# Altium PCB MyNixie.PcbDoc (part 1 of 2) (continued)
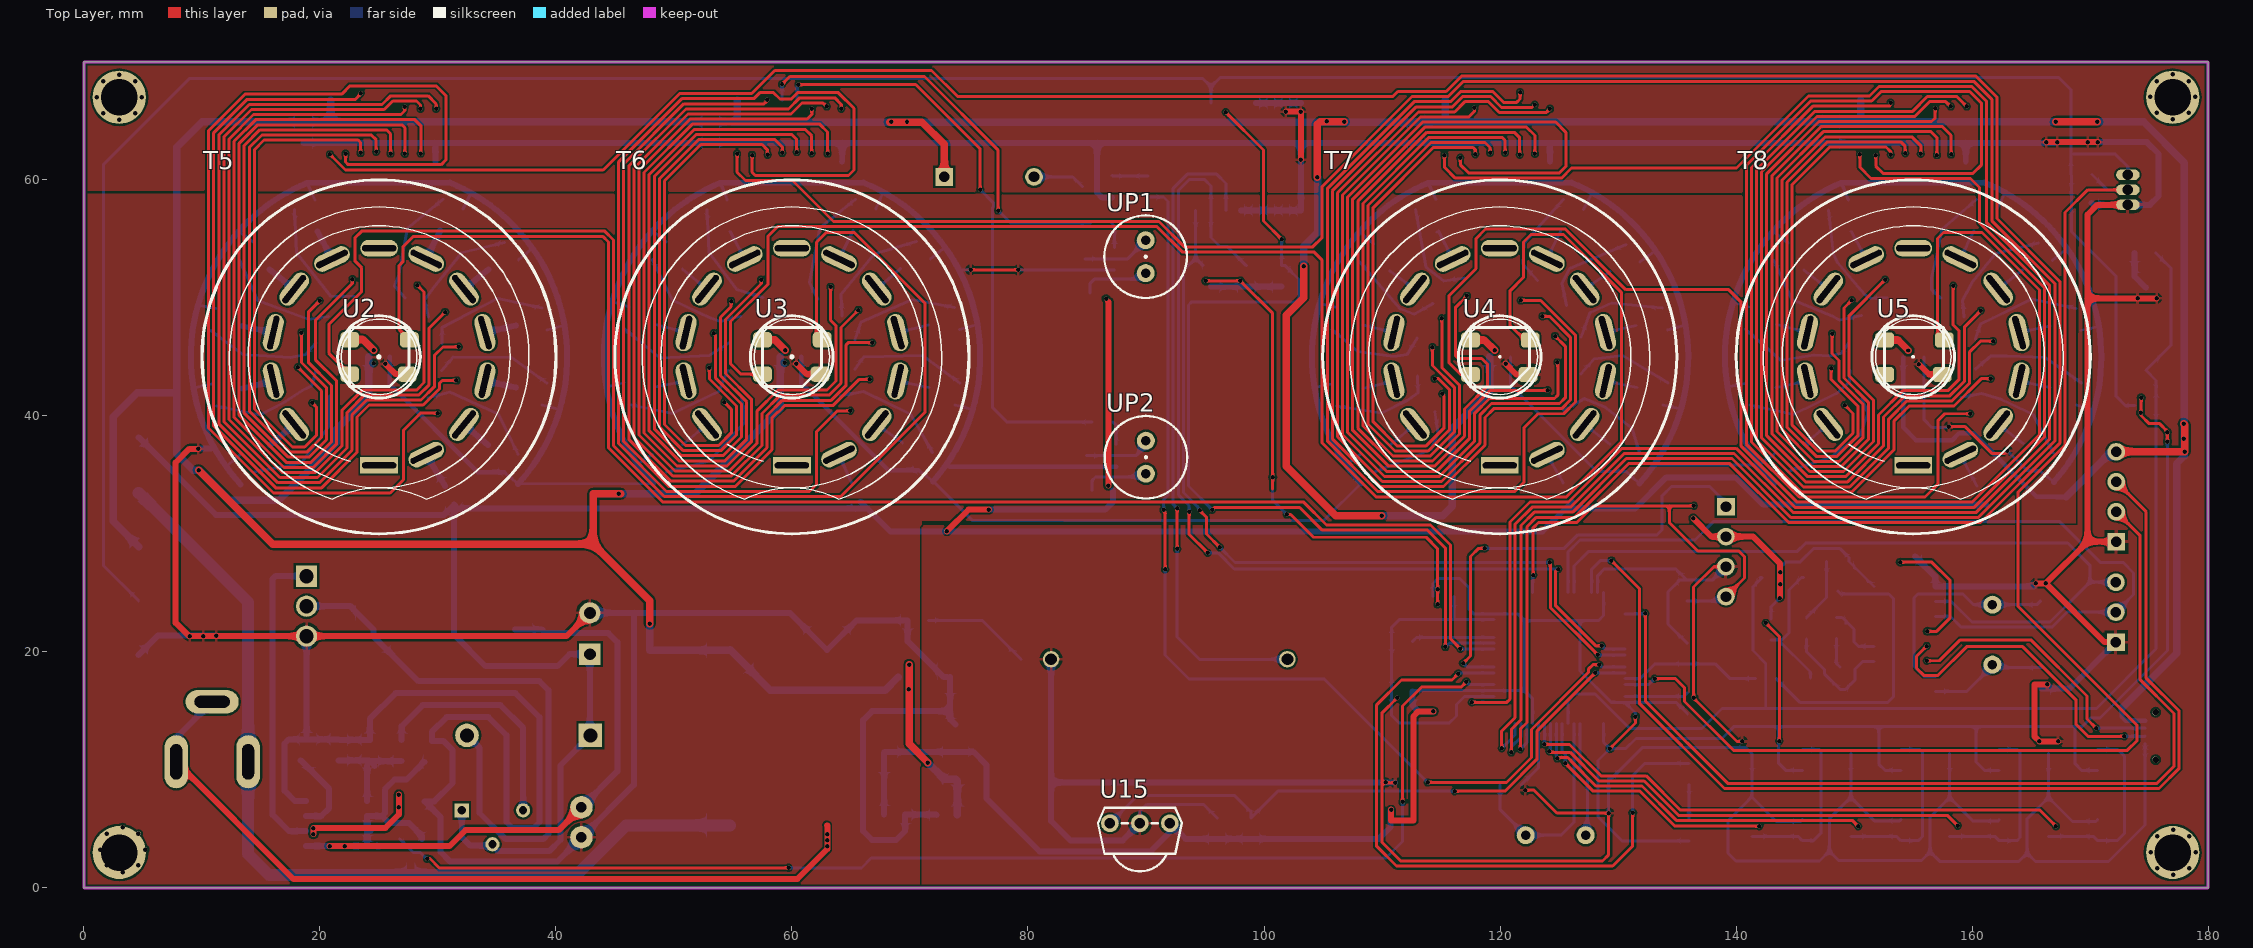
[diagram p0: Top Layer view]
## Footprints (in the part's own frame and the unit in brackets; to place one, negate y for a bottom-side part, rotate by r counter-clockwise, add the part's x,y. Pads: shape width x height; smd on the part's side, far side on the other; paste and mask are expansions set on the pad) (continued)
BEEP [mm] "蜂鸣器"
  rect 1.5x1.5 hole 0.9: 1(-3.8,0)
  round 1.5 hole 0.9: 2(3.8,0)
  silkscreen extent -6,-6 6,6, body extent -6.02,-6.02 5.97,5.97, height 9.6
C-RB-6 [mil]
  round 75 hole 35: 1(99,2) 2(-1,2)
  silkscreen extent -69,-116 167,120, body extent -69,-116 167,120, height 472
C-RB-8 [mm] "35V 220UF电容"
  rect 1.8x1.8 hole 1: 1(0,0)
  round 1.8 hole 1: 2(3.5,0)
  silkscreen extent -2.25,-4 5.75,4
CHECK-B [mm] "Connector; Plug"
  round 1.5 smd: 1(0,0)
  silkscreen extent -1.52,-1.52 1.52,1.52
CR2032 [mm]
  rect 3x1.4 smd: 1(-1.499,0)
  round 1.4 hole 1: 1(-0.025,0) 2(20,0)
  rect 5x1.4 smd: 2(22.555,0)
  silkscreen extent -0.94,-11 23.45,11, body extent -0.91,-10.87 23.52,11.12, height 8
DC-005 [mm] "DC母座5.5mm"
  oval 2x4.5 hole 1 slot 3 at 90 deg: 1(0.889,0) 2(6.985,0)
  oval 4.5x2 hole 1 slot 3 at 0 deg: 3(3.937,5.08)
  silkscreen extent 0,-4.5 14.6,4.5, body extent 0,-4.45 14.6,4.44, height 11
DO-41 [mm] "Diode, Axial; Body 5.2 x 2.7 mm (LxDia. max), Lead Dia. 0.86 mm (max)"
  round 2 hole 1.2: 1(-5.23,0)
  rect 2x2 hole 1.2: 2(5.23,0)
  silkscreen extent -2.65,-1.4 2.75,1.4
Flower [mm]
HDR3X1_A [mm] "Connector; Header; 3 Position"
  rect 1.5x1.5 hole 0.9: 1(0,0)
  round 1.5 hole 0.9: 2(2.54,0) 3(5.08,0)
  silkscreen extent -1.27,-1.27 6.35,1.27
HDR4X1_A [mm] "Connector; Header; 4 Position"
  rect 1.5x1.5 hole 0.9: 1(0,0)
  round 1.5 hole 0.9: 2(2.54,0) 3(5.08,0) 4(7.62,0)
  silkscreen extent -1.27,-1.27 8.89,1.27
HS0038B [mm] "红外接收头"
  round 1.5 hole 0.9: 1(-2.54,0) 2(0,0) 3(2.54,0)
  silkscreen extent -3.56,-4.08 3.56,1.3
L-SMD-12 [mm] "贴片电感12*12"
  rect 3x4 smd: 1(-6,0) 2(6,0)
  silkscreen extent -6.2,-6.2 6.2,6.2, body extent -6.21,-6.23 6.21,6.18, height 2.5
LC-0805_C [mm]
  rect 1.16x1.47 smd: 1(-0.89,0) 2(0.89,0)
  silkscreen extent -1.77,-1.04 1.77,1.04, body extent -1,-0.63 1,0.62, height 0.77
LC-0805_L [mm]
  rect 1.16x1.47 smd: 1(-0.89,0) 2(0.89,0)
  silkscreen extent -1.77,-1.04 1.77,1.03, body extent -1.02,-0.64 1.03,0.64, height 0.6
LC-0805_LED_S1 [mm]
  rect 1.16x1.47 smd: A(0.89,0) K(-0.89,0)
  silkscreen extent -2.25,-1.04 1.77,1.03, body extent -1.01,-0.63 1.01,0.62, height 1.1
LC-0805_R [mm]
  rect 1.16x1.47 smd: 1(-0.89,0) 2(0.89,0)
  silkscreen extent -1.77,-1.04 1.77,1.03, body extent -1,-0.63 1,0.63, height 0.49
LC-LL-34 [mm]
  rect 0.9x1.5 smd: 1(1.75,0) 2(-1.75,0)
  silkscreen extent -1.8,-1.08 1.8,1.08
LC-LQFP-64_10x10x05P [mm]
  oval 0.28x1.8 smd mask+0.051: 1(-3.75,-5.55) 2(-3.25,-5.55) 3(-2.75,-5.55) 4(-2.25,-5.55) 5(-1.75,-5.55) 6(-1.25,-5.55) 7(-0.75,-5.55) 8(-0.25,-5.55) 9(0.25,-5.55) 10(0.75,-5.55) 11(1.25,-5.55) 12(1.75,-5.55) 13(2.25,-5.55) 14(2.75,-5.55) 15(3.25,-5.55) 16(3.75,-5.55) 33(3.75,5.55) 34(3.25,5.55) 35(2.75,5.55) 36(2.25,5.55) 37(1.75,5.55) 38(1.25,5.55) 39(0.75,5.55) 40(0.25,5.55) 41(-0.25,5.55) 42(-0.75,5.55) 43(-1.25,5.55) 44(-1.75,5.55) 45(-2.25,5.55) 46(-2.75,5.55) 47(-3.25,5.55) 48(-3.75,5.55)
  oval 1.8x0.28 smd mask+0.051: 17(5.55,-3.75) 18(5.55,-3.25) 19(5.55,-2.75) 20(5.55,-2.25) 21(5.55,-1.75) 22(5.55,-1.25) 23(5.55,-0.75) 24(5.55,-0.25) 25(5.55,0.25) 26(5.55,0.75) 27(5.55,1.25) 28(5.55,1.75) 29(5.55,2.25) 30(5.55,2.75) 31(5.55,3.25) 32(5.55,3.75) 49(-5.55,3.75) 50(-5.55,3.25) 51(-5.55,2.75) 52(-5.55,2.25) 53(-5.55,1.75) 54(-5.55,1.25) 55(-5.55,0.75) 56(-5.55,0.25) 57(-5.55,-0.25) 58(-5.55,-0.75) 59(-5.55,-1.25) 60(-5.55,-1.75) 61(-5.55,-2.25) 62(-5.55,-2.75) 63(-5.55,-3.25) 64(-5.55,-3.75)
  silkscreen extent -4.55,-6.05 4.25,4.25
LC-SMB(DO-214AA)_S1 [mm]
  rect 2.159x2.743 smd: 1(2.21,0) 2(-2.21,0)
  silkscreen extent -2.5,-2.1 2.5,2.1
LC-SOIC-8_150mil [mm]
  oval 0.7x1.8 smd: 1(-1.905,-2.6) 2(-0.635,-2.6) 3(0.635,-2.6) 4(1.905,-2.6) 5(1.905,2.6) 6(0.635,2.6) 7(-0.635,2.6) 8(-1.905,2.6)
  silkscreen extent -2.9,-3.05 2.4,1.4
LC-SOIC-16_150mil [mm]
  oval 0.6x1.8 smd: 1(-4.445,-2.6) 2(-3.175,-2.6) 3(-1.905,-2.6) 4(-0.635,-2.6) 5(0.635,-2.6) 6(1.905,-2.6) 7(3.175,-2.6) 8(4.445,-2.6) 9(4.445,2.6) 10(3.175,2.6) 11(1.905,2.6) 12(0.635,2.6) 13(-0.635,2.6) 14(-1.905,2.6) 15(-3.175,2.6) 16(-4.445,2.6)
  silkscreen extent -5.4,-3.05 4.97,1.4
LC-SOIC-16_300mil [mm]
  oval 0.6x2.3 smd: 1(-4.445,-4.55) 2(-3.175,-4.55) 3(-1.905,-4.55) 4(-0.635,-4.55) 5(0.635,-4.55) 6(1.905,-4.55) 7(3.175,-4.55) 8(4.445,-4.55) 9(4.445,4.55) 10(3.175,4.55) 11(1.905,4.55) 12(0.635,4.55) 13(-0.635,4.55) 14(-1.905,4.55) 15(-3.175,4.55) 16(-4.445,4.55)
  silkscreen extent -5.45,-5.25 5.1,3
LC-SOT-23(SOT-23-3) [mm]
  rect 1.25x0.7 smd: 1(1.25,-0.95) 2(1.25,0.95) 3(-1.25,0)
  silkscreen extent -0.65,-1.46 0.9,1.46, body extent -1.5,-1.5 1.5,1.5, height 1.3
LC-SOT-223 [mm]
  rect 2.2x1 smd: 1(3,-2.3) 2(3,0) 3(3,2.3)
  rect 2.2x3.5 smd: 2(-3,0)
  silkscreen extent -1.4,-3 1.4,3, body extent -3.49,-3.24 3.49,3.24, height 1.64
"MP1584 MODULE" [mm] "Mini360"
  rect 4x4 smd: 1(5.74,12.522) 2(5.74,4.318) 3(20.599,4.318) 4(20.599,12.522)
  silkscreen extent 4.7,2.82 21.77,13.97
NEON [mil]
  round 60 hole 31.5: 1(-40,0) 2(-150,0)
  silkscreen extent -233,-138 43,138
QS30-1 [mm]
  rect 3.2x1.4 hole 0.5 slot 2.9 at 0 deg: 1(0,-9.2)
  oval 3.2x1.4 hole 0.5 slot 2.9 at 25.71 deg rot 25.71: 2(3.992,-8.289) 9(-3.992,8.289)
  oval 3.2x1.4 hole 0.5 slot 2.9 at 51.43 deg rot 51.43: 3(7.193,-5.736) 10(-7.193,5.736)
  oval 3.2x1.4 hole 0.5 slot 2.9 at 77.14 deg rot 77.14: 4(8.969,-2.047) 11(-8.969,2.047)
  oval 3.2x1.4 hole 0.5 slot 2.9 at 106.06 deg rot 102.86: 5(8.969,2.047)
  oval 3.2x1.4 hole 0.5 slot 2.9 at 128.57 deg rot 128.57: 6(7.193,5.736) 13(-7.193,-5.736)
  oval 3.2x1.4 hole 0.5 slot 2.9 at 154.29 deg rot 154.29: 7(3.992,8.289)
  oval 3.2x1.4 hole 0.5 slot 2.9 at 0 deg: 8(0,9.2)
  oval 3.2x1.4 hole 0.5 slot 2.9 at 102.86 deg rot 102.86: 12(-8.969,-2.047)
  silkscreen extent -15,-15 15,15, body extent -13.99,-14.02 14,13.97, height 40
SW_PB2_A1 [mm]
  rect 1.5x2.5 smd: 1(0,3.556) 2(0,-3.444)
  silkscreen extent -2,-3.19 2,3.31, body extent -2.03,-3.17 2.03,3.3, height 1.2
TO-92A [mm]
  oval 2x0.9 hole 0.9: 1(0,-1.27) 2(0,0) 3(0,1.27)
  silkscreen extent -2.48,-2.48 1.5,2.48
TO-220AB [mm] "TO, Thru-Hole, Vertical, Heatsink Mounted; 3 In-Line Leads; Pitch 2.54 mm"
  round 1.8 hole 1.2: D(0,0) S(2.54,0)
  rect 1.8x1.8 hole 1.2: G(-2.54,0)
  silkscreen extent -5.35,-1.85 5.35,2.85, body extent -5.33,-1.78 5.33,2.79, height 4
USB_MICRO [mm] "USB方孔"
  oct 0.4x1.8 smd: 1(1.24,1.651) 2(1.89,1.651) 3(2.54,1.651) 4(3.19,1.651) 5(3.84,1.651)
  rect 2.286x1.9 smd: 6(5.969,-1.27) 7(-0.889,-1.27)
  rect 1.8x1.9 smd: 8(2.54,-1.27)
  round 0.54 hole 0.54: ""(0.54,0.753) ""(4.54,0.753)
  silkscreen extent -0.38,-3.56 5.33,1.4, body extent -0.43,-3.61 5.38,1.47, height 1.85
VR_B1 [mm] "Potentiometer; 3 Leads"
  rect 1.2x1.2 hole 0.7: 1(-2.6,0)
  round 1.2 hole 0.7: 2(0,2.873) 3(2.6,0)
  silkscreen extent -3.5,-3 3.5,4
WS2812 [mm]
  rrect50% 1.6x1.3 smd: 1(0,-1.041) 2(0,-3.962) 3(4.877,-3.962) 4(5.055,-1.041)
  silkscreen extent 0,-5 5,0, body extent 0,-5 5,0, height 2
X-HC49U [mil] "插件晶振"
  round 60 hole 32: 1(-100,0) 2(100,0)
  silkscreen extent -215,-90 215,90
螺丝孔-3MM#1 [mil]
  round 15 hole 15: 1(-75,0) 1(-53.03,-53.03) 1(-53.03,53.03) 1(0,-75) 1(0,75) 1(53.03,-53.03) 1(53.03,53.03) 1(75,0)
  round 177.16 hole 122.05: 1(0.11,-0.2)
螺丝孔-3MM#2 [mil]
  round 15 hole 15: 1(-75,0) 1(-53.03,-53.03) 1(-53.03,53.03) 1(0,-75) 1(0,75) 1(53.03,-53.03) 1(53.03,53.03) 1(75,0)
  round 177.16 hole 122.05: 1(-0.5,-1.2)
螺丝孔-3MM#3 [mil]
  round 15 hole 15: 1(-75,0) 1(-53.03,-53.03) 1(-53.03,53.03) 1(0,-75) 1(0,75) 1(53.03,-53.03) 1(53.03,53.03) 1(75,0)
  round 177.16 hole 122.05: 1(-10.89,-9.89)
螺丝孔-3MM#4 [mil]
  round 15 hole 15: 1(-75,0) 1(-53.03,-53.03) 1(-53.03,53.03) 1(0,-75) 1(0,75) 1(53.03,-53.03) 1(53.03,53.03) 1(75,0)
  round 177.16 hole 122.05: 1(-1.5,-0.89)

## Part data
3V 5V 12V GND VH: "测试点"
BT1: "备份电池"
C1 C2 C3 C4 C5 C6 C7 C8 C11 C15 C16 C17 C18 C19 C20 C21 C22 C23 C26 C27 C28 C29 C30: library part "0805 100nF(104) 10% 50V", "贴片电容"
C9: library part "0805 1nF (102) 10% 50V", "贴片电容"
C10 C12: "Polarized Capacitor (Radial)"
C13 C14 C24 C25: library part "0805 20pF (200) 5% 50V", "贴片电容"
C31: library part "0805 22uF (226) 20% 25V", "贴片电容"
D1: library part "SMB/DO-214AA P6SMB6.8CA", "TVS"
D2: library part "D Schottky", "Schottky Diode"
D3: library part "0805 黄灯", "发光二极管"
D4: library part "LL-34 LL4148 LL-34 1206", "开关二极管"
J1: "直流电源端子"
J7: "MicroUSB接口"
J8: "蜂鸣器"
L1: "Magnetic-Core Inductor"
L2: library part "0805 100uH 10%", "贴片电感"
P1: library part "Header 4", "接插件"
P2 P3: "接插件"
Q1 Q2 Q3 Q5 Q6 Q7 Q8 Q9 Q10 Q11 Q12 Q13 Q14 Q15 Q16 Q17 Q18 Q19 Q20 Q21 Q22 Q23 Q24 Q25 Q26 Q27 Q28 Q29 Q30 Q31 Q32 Q33 Q34 Q35 Q36 Q37 Q38 Q39 Q40 Q41 Q42 Q43 Q44 Q45 Q47: library part "SOT-23 SS8050 Y1", "三极管"
Q4: library part NMOS-2, "N-Channel Power MOSFET"
Q46: library part "SOT-23 SS8550 Y2", "三极管"
R1 R11 R14 R15 R16 R62 R63 R64 R65 R66 R67 R68 R69 R71: library part "0805 10KΩ (1002) 1%", "贴片电阻"
R2: library part "0805 2KΩ (2001) 1%", "贴片电阻"
R3: library part "0805 270KΩ (2703) 1%", "贴片电阻"
R4 R9: library part "0805 240KΩ (2403) 1%", "贴片电阻"
R5 R7 R12 R13: library part "0805 20KΩ (2002) 1%", "贴片电阻"
R6: "精密可调电阻"
R8: library part "0805 330Ω (3300) 1%", "贴片电阻"
R10 R17 R30 R61 R70: library part "0805 1KΩ (1001) 1%", "贴片电阻"
R18 R19 R20 R21 R22 R23 R24 R25 R26 R27 R28 R29 R31 R32 R33 R34 R35 R36 R37 R38 R39 R40 R41 R42 R43 R44 R45 R46 R47 R48 R49 R50 R51 R52 R53 R54 R55 R56 R57 R58 R59 R60: library part "0805 33KΩ (3302) 1%", "贴片电阻"
S1 S2 S3 S4 S5: "微动开关"
T5 T6 T7 T8: "南昌辉光管"
U7: "ARM"
U8: "USB"
U13: "温度传感器"
U14: "实时时钟"
U15: library part HS0038B, "红外接收器"
UP1 UP2: "氖泡"
VR1: library part "SOT-223 AMS1117-3.3", "低压差线性稳压(LDO)"
Y1 Y2: "晶振"

## Via types
v1: diameter 0.381, hole 0.381, Top Layer to Bottom Layer, 230 vias

## Nets (pads, with @x,y where several pads share a name; then routed paths per layer and width w, separated by ;. In a path a pad name is that pad's centre, name@x,y a point inside that pad or via, vN(x,y) a via of type N, cw(c..) or ccw(c..) an arc to the next point about the centre after c; other vN are vias at no path point)
3V3: 3V.1 C2.2 C15.1 C16.1 C17.1 C26.2 C31.1 D3.A P1.2 Q46.2 R1.1 R15.1 R16.2 R62.1 R63.1 R64.1 R65.1 R66.1 R67.1 R68.1 R69.2 R71.2 U7.1 U7.13 U7.19 U7.32 U7.48 U7.64 U8.16 U13.3 U14.2 U15.3 VR1.2 | length 578.3
  Top Layer w0.254: v1(95.072,51.435) v1(97.993,51.435) 100.736,48.692 100.736,33.807 ; v1(101.93,31.648) 102.26,31.648 104.191,29.718 113.741,29.718 114.706,28.753 v1(114.706,24.028) ; v1(129.311,11.811) 131.47,13.97 v1(131.47,14.529) ; v1(142.519,22.454) 143.662,21.311 v1(143.662,12.446) ; v1(174.32,41.529) 174.32,40.03 175.006,39.345 175.895,39.345 176.555,38.684 v1(176.555,37.821)
  Top Layer w0.508: v1(110.769,6.629) 110.769,5.715 112.649,5.715 112.649,14.529 113.081,14.961 v1(114.351,14.961) ; v1(136.373,31.318) 137.922,29.769 P1.2@139.141,29.769 141.453,29.769 143.713,27.508 v1@143.713,24.638
  Bottom Layer w0.254: 3V.1@4.648,24.333 1.651,27.33 1.651,61.29 8.966,68.605 94.793,68.605 95.504,67.894 ; U14.2@95.504,66.51 95.504,67.894 ; v1(100.736,34.798) 100.736,32.842 v1(101.93,31.648) ; C15.1@112.599,16.662 112.669,16.732 U7.19@119.469,16.732 122.079,16.732 ; C17.1@114.324,24.689 114.324,25.805 114.757,26.238 116.561,26.238 117.348,25.451 117.348,23.647 117.764,23.232 U7.32@119.469,23.232 121.497,23.232 122.079,22.65 ; U7.13@122.769,13.932 122.769,16.042 122.079,16.732 ; U7.1@128.769,13.932 128.769,12.354 v1(129.311,11.811) ; U7.48@128.769,25.032 128.769,23.079 128.339,22.65 126.771,22.65 ; v1(131.47,14.529) 131.47,14.83 U7.64@130.569,15.732 ; C16.1@135.89,14.756 134.915,15.732 U7.64@130.569,15.732 ; D3.A@136.017,3.987 130.354,3.987 128.301,6.04 128.301,10.8 v1(129.311,11.811) ; R16.2@142.977,22.81 142.977,23.851 v1(143.688,24.562) 143.688,27.076 144.247,27.635 145.44,27.635 146.558,28.753 148.819,28.753 149.565,28.006 Q46.2@149.565,27.666 U8.16@151.68,25.552 ; R65.1@145.618,9.971 144.207,9.971 143.612,10.566 143.612,13.665 ; R66.1@153.958,9.971 152.615,9.971 152.095,10.49 152.095,13.665 ; R67.1@162.298,9.971 161.047,9.971 160.35,10.668 160.35,13.665 ; 168.732,13.614 168.732,10.516 169.277,9.971 R68.1@170.637,9.971 ; U13.3@173.203,60.427 173.203,61.112 172.136,62.179 168.426,62.179 168.376,62.23 ; R15.1@173.811,40.869 172.999,40.869 172.212,41.656 172.212,51.816 168.402,55.626 168.402,60.426 R62.1@168.376,60.452 168.376,62.23 ; v1@176.555,38.633 176.555,20.117 170.84,14.402 170.053,14.402 169.316,13.665 160.35,13.665 ; 95.504,67.894 96.266,68.656 167.361,68.656 168.376,67.641 168.376,62.23 ; 122.079,16.732 122.079,22.65 ; 122.079,22.65 126.771,22.65 ; 126.771,22.65 126.771,18.39 129.429,15.732 U7.64@130.569,15.732 ; v1(129.311,11.811) 130.658,11.811 131.521,12.675 138.811,12.675 139.802,13.665 143.612,13.665 ; 143.612,13.665 152.095,13.665 ; 152.095,13.665 160.35,13.665
  Bottom Layer w0.508: C2.2@67.817,6.223 67.817,11.483 VR1.2@67.866,11.532 VR1.2@73.866,11.532 75.387,11.532 76.505,10.414 76.505,7.569 80.975,3.099 90.399,3.099 92.024,4.724 U15.3@92.024,5.486 93.346,4.165 R71.2@98.908,4.165 109.727,4.165 110.719,5.156 110.719,6.579 v1(110.769,6.629) ; R63.1@95.509,50.951 R64.1@98.501,50.951 R69.2@101.473,50.951 ; C15.1@112.599,16.662 112.599,15.442 113.081,14.961 v1(114.351,14.961)
  other v1: 114.706,25.324 143.739,25.73 143.739,26.772 176.53,38.633 174.269,40.259
+5: 5V.1 C1.2 C4.1 C5.1 C6.1 C7.1 C19.1 C20.1 C21.1 C22.1 D1.1 J7.1 J8.1 P2.4 U1.3 U2.1 U3.1 U4.1 U5.1 U9.1 U10.1 U11.1 U12.1 VR1.3 | length 537.2
  Top Layer w0.381: P2.4@172.212,36.957 176.581,36.957
  Top Layer w0.635: v1(9.728,35.408) 16.002,29.134 43.155,29.134 ; U2.1@22.53,46.457 23.673,46.457 v1(24.562,45.568) ; v1@45.491,33.401 43.155,33.401 43.155,29.134 ; v1(47.955,22.403) 47.955,24.333 43.155,29.134 ; U3.1@57.506,46.457 58.547,46.457 v1(59.436,45.568) ; v1@68.275,64.897 71.018,64.897 72.908,63.007 J8.1@72.908,60.249 ; v1(69.926,18.923) 69.926,12.217 v1@71.514,10.63 ; v1@103.353,52.68 103.353,50.013 101.879,48.539 101.879,35.738 106.07,31.547 v1(109.982,31.547) ; v1(104.521,60.223) 104.521,64.694 104.75,64.922 v1(106.782,64.922) ; U4.1@117.5,46.431 118.669,46.431 v1(119.532,45.568) ; U5.1@152.588,46.431 153.721,46.431 v1(154.61,45.542) ; v1(167.081,64.922) v1(170.586,64.922) ; P2.4@172.212,36.957 172.237,36.982 v1(178.003,36.982) 178.003,39.243 v1(177.927,39.319)
  Bottom Layer w0.381: C7.1@154.162,44.983 154.162,39.03 155.245,37.948 158.318,37.948 158.89,38.519 160.083,38.519 165.456,33.147 167.97,33.147 ; 172.695,15.24 172.695,14.503 173.02,14.178 J7.1@174.65,14.178
  Bottom Layer w0.635: 5V.1@4.648,28.905 2.489,31.064 2.489,39.929 4.521,41.961 7.747,41.961 7.874,42.088 ; U9.1@20.904,66.76 20.904,64.923 ; C5.1@24.154,45.009 24.154,41.604 21.398,38.848 21.398,37.73 16.535,32.868 12.319,32.868 9.779,35.408 v1(9.728,35.408) 9.271,35.408 7.874,36.805 7.874,42.088 ; 43.155,33.401 51.791,33.401 59.029,40.639 C4.1@59.029,45.009 ; v1(47.955,22.403) 47.955,20.142 54.737,20.142 U1.3@54.762,20.168 58.166,16.764 67.894,16.764 D1.1@68.986,17.856 ; 55.017,64.923 C20.1@53.111,64.923 20.904,64.923 ; U10.1@55.347,66.76 55.347,65.253 54.959,64.865 112.903,64.865 C21.1@112.903,64.923 114.961,64.923 ; v1(71.501,10.617) 72.887,9.232 VR1.3@73.866,9.232 74.017,9.081 C1.2@74.017,6.198 ; v1(103.378,52.68) 103.378,54.381 104.546,55.55 v1@104.546,60.223 ; v1(109.982,31.547) 115.138,31.547 115.951,32.36 115.951,38.913 119.125,42.087 C6.1@119.125,45.009 ; U11.1@115.341,66.76 115.341,65.303 114.961,64.923 ; U12.1@150.571,66.76 150.571,64.949 150.597,64.923 ; v1(167.081,64.922) 150.597,64.923 ; 167.97,33.147 171.78,36.957 P2.4@172.212,36.957 ; v1(170.586,64.922) 174.523,64.922 177.978,61.468 177.978,36.601 177.343,35.966 177.343,19.888 172.695,15.24 ; 7.874,42.088 7.874,62.763 10.034,64.923 C19.1@18.618,64.923 20.904,64.923 ; 114.961,64.923 C22.1@148.031,64.923 150.597,64.923
  other v1: 69.901,16.84 45.314,33.401 177.952,38.049 24.562,44.475 59.411,44.501 68.428,64.922 69.748,64.922 105.308,64.973
+12: 12V.1 J1.1 Q2.3 U1.2 | length 77.8
  Bottom Layer w1.016: 12V.1@4.648,33.477 13.919,24.206 J1.1@13.919,10.693 13.919,2.87 15.672,1.118 41.758,1.118 45.949,5.309 U1.2@54.762,5.309
BEEP: R70.1 U7.58 | length 89.7
  Top Layer w0.254: v1(91.491,32.029) 91.618,31.902 v1(91.618,27) ; v1(113.868,8.941) 120.547,8.941 122.657,11.05 122.657,13.427 127.483,18.253 127.483,18.529 127.876,18.923 v1(128.397,18.923)
  Bottom Layer w0.254: R70.1@90.17,58.546 91.492,58.546 91.873,58.165 91.873,33.275 91.491,32.893 v1(91.491,32.029) ; v1(91.618,27) 91.618,19.736 93.65,17.704 105.105,17.704 v1(113.868,8.941) ; v1(128.397,18.923) 128.588,18.732 U7.58@130.569,18.732
BOOSTONOFF: Q2.1 U7.20 | length 107.2
  Top Layer w0.254: v1(29.083,2.489) 29.337,2.489 30.124,1.702 v1(59.715,1.702) ; v1(111.735,7.29) 111.735,15.418 113.335,17.018 116.688,17.018 v1(117.145,17.475)
  Bottom Layer w0.254: Q2.1@26.761,4.146 27.884,3.023 28.473,3.023 29.083,2.413 v1(29.083,2.489) ; v1(59.715,1.702) 65.888,1.702 66.726,2.54 110.338,2.54 111.735,3.937 v1(111.735,7.29) ; v1(117.145,17.475) 117.388,17.232 U7.20@119.469,17.232
BT0: R14.2 R61.1 U7.60 | length 12.1
  Bottom Layer w0.254: U7.60@130.569,17.732 131.854,17.732 133.12,18.998 R14.2@135.865,18.998 138.228,18.998 139.497,17.729 R61.1@141.629,17.729
BT1: R11.2 U7.28 | length 7
  Bottom Layer w0.254: R11.2@112.599,20.904 112.927,21.232 U7.28@119.469,21.232
DGND: BT1.2 C3.1 C13.1 C14.1 C15.2 C16.2 C17.2 C18.1 C19.2 C20.2 C21.2 C22.2 C23.2 C24.2 C25.2 C26.1 C27.1 C28.1 C29.1 C30.1 C31.2 J7.4 J7.5 L2.2 P1.3 P2.1 P3.1 Q47.2 R11.1 R14.1 S1.2 S2.1 S3.1 S4.1 S5.1 U7.12 U7.18 U7.31 U7.47 U7.63 U8.1 U9.9 U10.9 U11.9 U12.9 U13.1 U14.5 U14.6 U14.7 U14.8 U14.9 U14.10 U14.11 U14.12 U14.13 U15.2 | length 598.1
  Top Layer w0.254: v1(111.1,8.915) 109.982,8.915 ; v1(111.277,16.104) 109.982,14.808 109.982,8.915 ; v1(122.123,8.28) 122.885,8.28 124.816,6.35 v1(129.21,6.35) 129.21,2.819 128.676,2.286 111.582,2.286 109.982,3.886 109.982,8.915 ; P1.3@139.141,27.229 138.125,27.229 136.398,25.502 v1(136.398,16.104) 140.081,12.421 v1(140.538,12.421)
  Top Layer w0.508: v1(101.854,65.786) v1(103.124,65.786) v1(103.124,61.722) ; v1(165.405,25.806) v1(166.243,25.806) ; v1(166.268,63.195) v1(170.663,63.195) ; v1(166.37,17.247) 165.303,17.247 165.303,12.827 v1(165.71,12.421) v1(167.284,12.421) ; P3.1@172.187,20.828 171.221,20.828 v1(166.243,25.806) ; P2.1@172.212,29.337 169.774,29.337 ; U13.1@173.203,57.887 170.612,57.887 169.774,57.048 169.774,49.962 ; v1(175.641,49.962) 169.774,49.962 ; v1(166.243,25.806) 169.774,29.337 ; 169.774,29.337 169.774,49.962
  Bottom Layer w0.254: L2.2@71.578,22.682 76.098,22.682 BT1.2@79.4,19.38 ; U15.2@89.484,5.486 89.484,6.502 90.068,7.087 94.87,7.087 C31.2@96.037,5.919 ; C17.2@116.104,24.689 116.104,22.733 116.103,22.732 ; U7.18@119.469,16.232 116.992,16.232 116.307,15.546 116.307,14.58 115.697,13.97 111.455,13.97 110.819,14.606 C15.2@110.819,16.662 R11.1@110.819,20.904 110.819,22.098 111.453,22.732 116.103,22.732 ; U7.31@119.469,22.732 116.103,22.732 ; C14.1@121.794,8.738 123.253,10.197 123.253,13.917 U7.12@123.269,13.932 ; U7.47@128.269,25.032 128.269,26.466 128.829,27.026 134.892,27.026 C3.1@135.839,26.079 ; v1(129.21,6.35) 129.185,6.374 C13.1@129.185,9.296 129.464,9.296 132.055,11.887 140.843,11.887 S2.1@141.351,11.379 141.351,7.722 ; U7.63@130.569,16.232 135.585,16.232 C16.2@135.89,16.536 ; R14.1@135.865,20.778 135.813,20.778 134.239,22.352 134.239,25.095 135.223,26.079 C3.1@135.839,26.079 ; P1.3@139.141,27.229 137.991,26.079 C3.1@135.839,26.079 ; C27.1@145.618,5.788 145.469,5.639 143.408,5.639 141.351,7.696 141.351,7.722 ; S3.1@149.725,11.379 149.725,7.679 ; C28.1@153.958,5.788 153.86,5.69 151.714,5.69 149.725,7.679 ; S4.1@158.098,11.379 158.098,7.662 ; C29.1@162.298,5.788 162.174,5.664 160.096,5.664 158.098,7.662 ; S5.1@166.472,11.379 166.472,7.671 ; C30.1@170.637,5.788 170.488,5.639 168.504,5.639 166.472,7.671 ; J7.4@174.65,12.228 J7.5@174.65,11.578 174.65,5.334 171.552,2.235 165.379,2.235 164.668,2.946 ; 141.351,7.722 139.319,5.69 139.319,2.946 139.979,2.286 147.066,2.286 147.904,3.124 ; 147.904,3.124 147.904,5.859 149.725,7.679 ; 147.904,3.124 148.692,2.337 155.702,2.337 156.439,3.073 ; 156.439,3.073 156.439,6.003 158.098,7.662 ; 156.439,3.073 157.251,2.261 163.982,2.261 164.668,2.946 ; 164.668,2.946 164.668,5.867 166.472,7.671
  Bottom Layer w0.508: C19.2@18.618,63.143 29.718,63.143 ; U9.9@29.794,61.56 29.794,63.067 29.718,63.143 ; U10.9@64.237,61.56 64.262,61.586 64.262,63.143 ; BT1.2@81.956,19.38 81.956,8.941 ; Q47.2@87.102,58.486 86.294,58.486 85.852,58.928 85.852,63.143 ; U15.2@89.484,5.486 88.036,4.039 83.591,4.039 81.956,5.674 81.956,8.941 ; U14.13@98.044,57.41 U14.12@99.314,57.41 U14.11@100.584,57.41 U14.10@101.854,57.41 U14.9@103.124,57.41 103.124,63.143 ; U14.5@99.314,66.51 U14.6@100.584,66.51 U14.7@101.854,66.51 U14.8@103.124,66.51 ; v1@111.1,8.941 81.956,8.941 ; U11.9@124.231,61.56 124.231,63.118 124.206,63.143 ; C23.2@155.17,28.092 156.88,26.382 U8.1@156.88,25.552 C24.2@165.251,25.552 ; U12.9@159.461,61.56 159.461,63.143 ; C25.2@165.887,16.89 168.249,16.89 P3.1@172.187,20.828 ; v1@167.208,63.143 159.461,63.143 ; 169.57,63.195 174.803,63.195 175.793,62.205 175.793,58.623 175.057,57.887 U13.1@173.203,57.887 ; C26.1@170.13,58.039 170.283,57.887 U13.1@173.203,57.887 ; U13.1@173.05,58.039 U13.1@173.203,57.887 ; C18.1@173.76,53.823 173.76,51.832 S1.2@174.727,50.866 ; 29.718,63.143 C20.2@53.111,63.143 64.262,63.143 ; 64.262,63.143 85.852,63.143 ; 85.852,63.143 103.124,63.143 ; 103.124,63.143 C21.2@112.903,63.143 124.206,63.143 ; 124.206,63.143 C22.2@148.031,63.143 159.461,63.143
  other v1: 110.312,8.941 174.041,49.962 169.799,63.17 167.208,63.195
DIN1: U7.14 U9.16 | length 252.9
  Top Layer w0.254: v1(20.853,62.154) 22.174,60.833 44.008,60.833 50.485,67.31 56.59,67.31 58.546,69.266 71.831,69.266 74.041,67.056 110.91,67.056 111.342,67.488 115.439,67.488 116.734,68.783 160.328,68.783 162.103,67.008 162.103,56.722 167.437,51.388 167.437,37.689 160.71,30.963 144.46,30.963 139.468,35.955 130.879,35.955 126.331,31.407 123.078,31.407 122.276,30.604 122.276,14.021 121.717,13.462 v1(121.717,11.76)
  Bottom Layer w0.254: v1(121.717,11.76) 122.269,12.312 U7.14@122.269,13.932
DIN2: U7.15 U10.16 | length 225.3
  Top Layer w0.254: v1(55.347,62.205) 55.347,60.655 56.058,59.944 60.046,59.944 63.525,56.464 91.111,56.464 93.244,54.331 104.14,54.331 104.927,55.118 104.927,59.436 112.547,67.056 115.618,67.056 116.913,68.351 160.149,68.351 161.671,66.83 161.671,56.544 167.005,51.21 167.005,37.868 160.531,31.394 144.639,31.394 139.647,36.387 130.7,36.387 126.152,31.838 122.899,31.838 121.768,30.706 121.768,27.454 121.78,27.442 121.78,14.249 120.955,13.424 v1(120.955,11.481)
  Bottom Layer w0.254: v1(120.955,11.481) 120.955,11.963 121.769,12.777 U7.15@121.769,13.932
DIN3: U7.16 U11.16 | length 156.4
  Top Layer w0.254: v1(115.291,62.103) 115.291,61.062 116.205,60.147 125.198,60.147 126.061,61.011 140.045,61.011 146.141,67.107 151.307,67.107 152.12,67.92 159.97,67.92 161.239,66.651 161.239,56.365 166.573,51.031 166.573,38.047 160.352,31.826 144.818,31.826 139.826,36.818 130.521,36.818 125.973,32.27 122.721,32.27 121.272,30.822 121.272,14.427 120.142,13.297 v1(120.142,11.836)
  Bottom Layer w0.254: v1(120.142,11.836) 121.269,12.963 U7.16@121.269,13.932
DIN4: U7.17 U12.16 | length 108
  Top Layer w0.254: v1(117.602,15.732) 120.57,15.732 120.84,16.002 120.84,31.001 122.542,32.702 125.794,32.702 130.342,37.25 140.005,37.25 144.997,32.258 160.173,32.258 166.141,38.226 166.141,50.852 160.63,56.364 160.63,59.36 159.868,60.122 151.435,60.122 150.495,61.062 v1(150.495,62.179)
  Bottom Layer w0.254: v1(117.602,15.732) U7.17@119.469,15.732
DOT1: Q1.1 R32.1 | length 2.2
  Bottom Layer w0.254: R32.1@87.077,56.337 87.331,56.084 Q1.1@87.331,54.265
DOT2: Q3.1 R37.1 | length 2
  Bottom Layer w0.254: R37.1@87.225,39.472 87.478,39.218 Q3.1@87.478,37.577
DS18B20: R62.2 U7.61 U13.2 | length 107.4
  Top Layer w0.254: v1(133.096,17.729) 134.874,17.729 135.636,16.967 135.636,15.799 139.776,11.659 173.152,11.659 173.99,12.497 173.99,13.767 163.906,23.851 163.906,33.548 167.869,37.511 167.869,57.226 169.799,59.157 U13.2@173.203,59.157
  Bottom Layer w0.254: U7.61@130.569,17.232 132.599,17.232 v1(133.096,17.729) ; R62.2@170.156,60.452 171.451,59.157 U13.2@173.203,59.157